# KiCad board AmigaPCI Mainboard.kicad_pcb (continued)
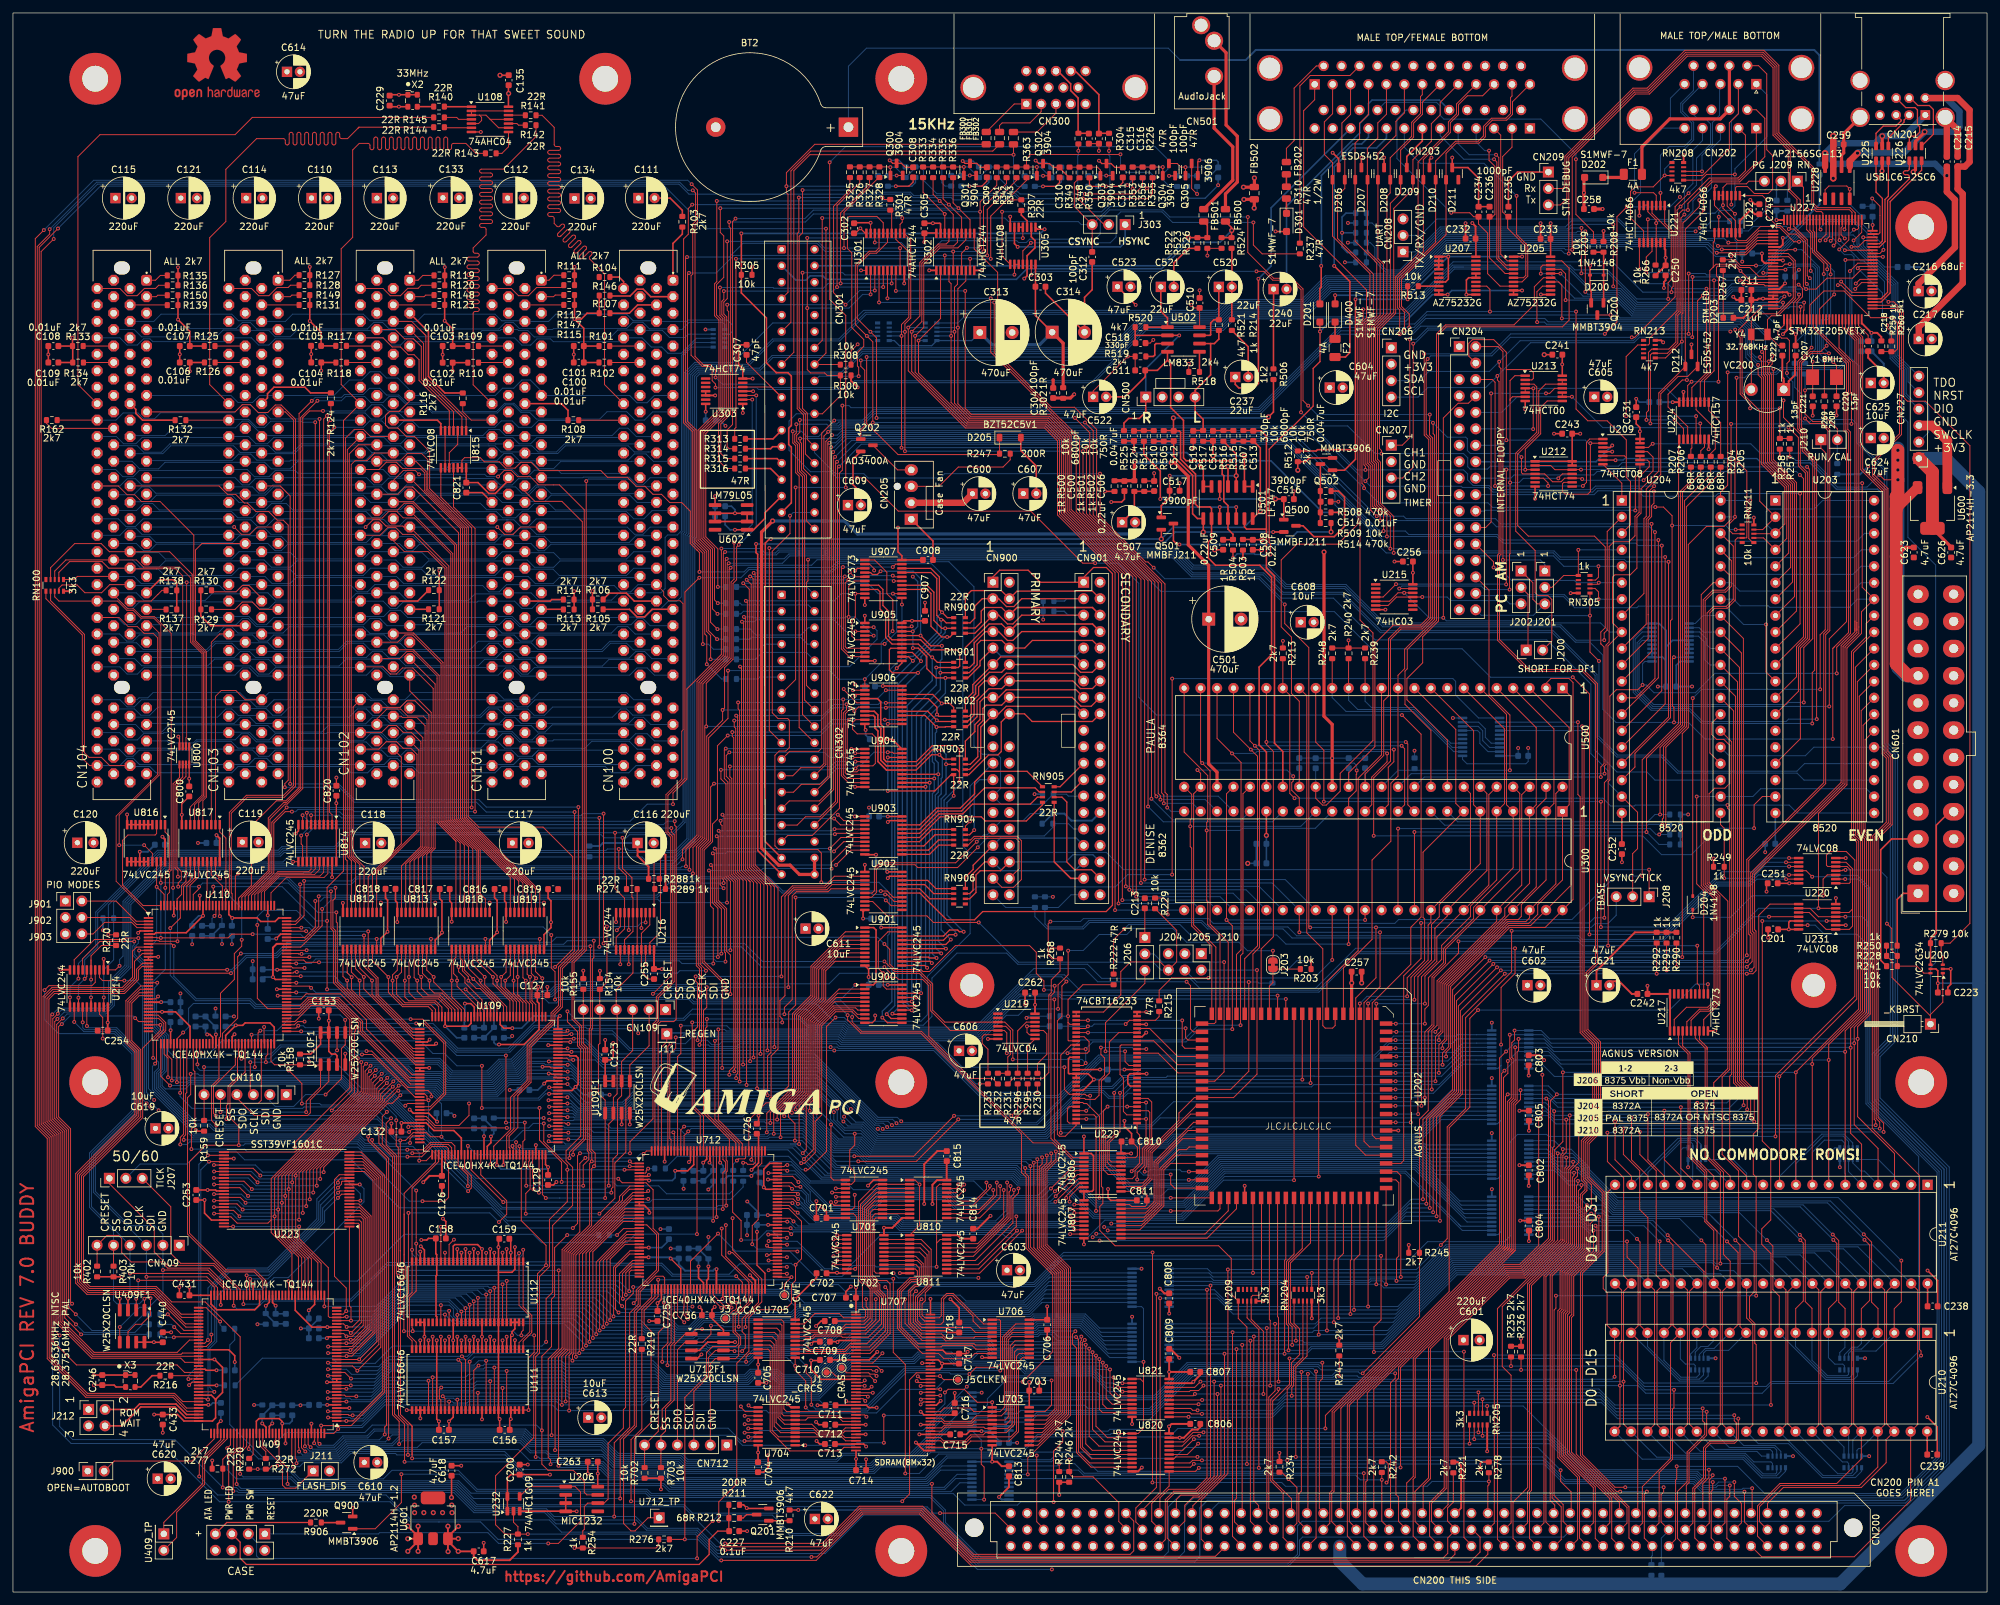
[diagram p0: board, top side]
## Routing (per net, layer and track width the routed paths; a pad name or vN(x,y) marks a point on that pad's centre or on a via; arc(x,y) is an arc through that point) (continued)
/Agnus Multiadapter/_CDAC: length 18.7
  Top w0.15: v1(165.97,87.36) 165.63,87.02 U229.33 ; 176.97,89.64 176.97,88.86 176.4,88.29 U229.26 172.4,88.29 v1(171.81,87.71)
  Bottom w0.15: v1(171.81,87.71) 166.95,87.71 166.6,87.36 v1(165.97,87.36) 165.96,87.37 R294.2
/Agnus Multiadapter/A20_XCLK: length 21.3
  Top w0.15: v1(165.99,86.39) 165.99,86.39 U229.34 ; U202.35 181.42,85.24 181.05,85.61 v1(181.05,87.05)
  Bottom w0.15: v1(165.99,86.39) 173.61,86.39 174.27,87.05 v1(181.05,87.05)
/Agnus Multiadapter/ACLK: length 21.7
  Top w0.15: J206.3 174.77,93.99 168.69,87.91 v1(168.69,83.5) ; U229.15 172.31,81.31 171.71,81.91 v1(171.71,83.5)
  Bottom w0.15: v1(171.71,83.5) v1(168.69,83.5)
/Agnus Multiadapter/CASL_UDS: length 21
  Top w0.15: v1(172.73,64.98) 172.73,64.99 173.96,66.22 173.96,70.57 173.56,70.97 U229.1 ; U202.53 179.37,62.38 178.75,63 v1(178.75,64.47)
  Bottom w0.15: v1(178.75,64.47) 176.9,64.47 176.82,64.39 174.52,64.39 173.94,64.98 v1(172.73,64.98)
/Agnus Multiadapter/CASU_CASL: length 34.4
  Top w0.15: v1(167.75,60.88) 167.75,73.47 165.79,75.43 165.34,75.43 165.18,75.59 U229.51 ; v1(178.76,60.87) 178.76,60.87 U202.54
  Bottom w0.15: v1(178.76,60.87) 167.76,60.87 v1(167.75,60.88)
/Agnus Multiadapter/CCK_CCKQ: length 11.3
  Top w0.15: U202.39 179.88,80.16 176.83,83.21 U229.18
/Agnus Multiadapter/CCKQ_7MHz: length 11.6
  Top w0.15: U229.21 176.12,85.12 179.81,81.43 U202.38
/Agnus Multiadapter/CDAC_XCLKEN: length 23.5
  Top w0.15: v1(180.53,88.27) 180.53,84.38 180.94,83.97 U202.36 ; U229.31 165.97,88.29 v1(165.98,88.28)
  Bottom w0.15: v1(165.98,88.28) 180.52,88.28 v1(180.53,88.27)
/Agnus Multiadapter/DRA8: length 20.3
  Top w0.15: U229.19 174.99,83.85 v1(174.99,83.85) ; U229.50 165.46,76.23 165.61,76.08 167.05,76.08 167.69,76.72 167.69,78.98 168.54,79.83 168.54,82.47 167.98,83.03 v1(167.98,84.08)
  Bottom w0.15: v1(167.98,84.08) 172.83,84.08 173.06,83.85 v1(174.99,83.85)
/Agnus Multiadapter/DRA9: length 15.3
  Top w0.15: U229.20 171.11,84.48 170.94,84.3 170.94,79.91 171.45,79.39 171.45,74.2 171.97,73.69 U229.3
/Agnus Multiadapter/DRA9_CASU: length 38.7
  Top w0.15: U202.55 186.37,59.18 186.04,58.85 v1(178.76,58.85) ; U229.54 166.9,73.69 167.23,73.36 v1(167.23,58.85)
  Bottom w0.15: v1(167.23,58.85) v1(178.76,58.85)
/Agnus Multiadapter/LDS_DRA8: length 22.8
  Top w0.15: U202.51 v1(181.57,64.92) ; v1(174.74,64.92) 174.74,65.46 174.97,65.69 174.97,68.22 175.82,69.07 175.82,75.66 175.26,76.23 U229.7
  Bottom w0.15: v1(174.74,64.92) 175.3,64.92 175.58,65.2 180.19,65.2 180.47,64.92 v1(181.57,64.92)
/Agnus Multiadapter/UDS_LDS: length 23.3
  Top w0.15: U202.52 v1(181.55,63.65) ; U229.4 175.28,74.32 175.52,74.08 175.52,69.2 174.67,68.34 174.67,65.83 173.58,64.74 v1(173.58,63.7)
  Bottom w0.15: v1(181.55,63.65) 173.63,63.65 v1(173.58,63.7)
/Agnus Multiadapter/VBB_CCK: length 33.7
  Top w0.15: U202.40 185.56,78.89 187,80.33 v1(187,97.28)
  Bottom w0.15: J206.2 176.16,98.54 177.42,97.28 v1(187,97.28)
/ATA Interface/_ACTA: length 133
  Top w0.15: v1(273.78,110.08) 273.79,110.09 U220.13
  Bottom w0.15: CN900.39 153.27,105.7 157.79,105.7 157.79,104.29 159.68,102.4 165.25,102.4 166.24,103.39 183.45,103.39 184.44,102.4 196.09,102.4 197.49,101 241.6,101 242.12,100.48 254.75,100.48 263.3,109.03 268.19,109.03 269.24,110.08 v1(273.78,110.08)
/ATA Interface/_ACTB: length 131.6
  Top w0.15: U220.12 v1(274.23,110.74)
  Bottom w0.15: CN901.39 163.37,107.67 161.4,105.7 159.34,105.7 159.34,103.16 159.8,102.7 165.13,102.7 166.12,103.69 183.57,103.69 184.56,102.7 196.85,102.7 198.21,101.34 228.78,101.34 241.76,101.34 242.32,100.78 254.62,100.78 263.17,109.33 268.07,109.33 269.48,110.74 v1(274.23,110.74)
/ATA Interface/_ACTIVITY: length 372.6
  Top w0.15: v1(59.97,18.2) 59.97,13.81 55.93,9.77 Q900.1 ; v1(277.8,110.45) 276.87,111.39 U220.11
  Bottom w0.15: v1(277.8,110.45) 281.85,110.45 282.07,110.68 284.76,110.68 286.7,108.73 286.7,75.64 297.39,64.96 297.39,20.72 291.59,14.93 180.14,14.93 178.39,13.17 178.39,6.21 177.47,5.29 149.44,5.29 143.97,10.76 143.97,12.67 141.74,14.9 98.47,14.9 97.8,15.56 71.56,15.56 68.92,18.2 v1(59.97,18.2)
/ATA Interface/_CS0P: length 20.6
  Top w0.15: CN900.37 152.7,108.82 154.5,108.82 155.7,110.02 155.7,116.02 155.03,116.69 148.41,116.69 147.86,116.14 RN904.6
/ATA Interface/_CS0S: length 14.8
  Top w0.2: 160.9,112.63 160.76,112.77 RN905.5
  Top w0.25: CN901.37 163.32,110.21 160.9,112.63
/ATA Interface/_CS1P: length 15.2
  Top w0.15: CN900.38 155.35,111.71 155.35,115.87 154.83,116.39 148.53,116.39 147.48,115.34 RN904.5
/ATA Interface/_CS1S: length 17.7
  Top w0.2: CN901.38 166.53,111.53 163.93,111.53 162.72,112.74 162.72,121.99 161.96,122.75 RN905.6
/ATA Interface/_DIORP: length 11.9
  Top w0.2: v1(148.42,117.66) 147.7,116.94 RN904.7
  Bottom w0.2: v1(148.42,117.66) 148.42,124.61 149.26,125.45 CN900.25
/ATA Interface/_DIORS: length 5.3
  Top w0.2: RN905.7 163.41,123.55 CN901.25
/ATA Interface/_DIOWP: length 12
  Top w0.15: v1(147.78,119.01) 147.05,118.28 RN904.8
  Bottom w0.15: CN900.23 147.78,124.46 v1(147.78,119.01)
/ATA Interface/_DIOWS: length 6.1
  Top w0.2: RN905.8 161.67,124.35 CN901.23
/ATA Interface/_RSTIDE: length 107.9
  Top w0.2: CN901.1 158.61,155.93 156.75,157.79 152.34,157.79 151.31,156.76 CN900.1 ; U902.15 140.03,107.94 144.17,103.8 148.46,103.8 149.74,105.08 168.79,105.08 169.76,106.05 169.76,157.27 168.82,158.21 166.84,158.21 165.31,156.68
/ATA Interface/DA0A: length 8.6
  Top w0.2: U902.17 140.78,109.24 142.17,107.85 RN906.2
/ATA Interface/DA0B: length 22.9
  Top w0.2: CN900.35 150.05,112.75 148.24,110.94 148.24,108.38 147.71,107.85 RN906.7
  Bottom w0.2: CN900.35 152.68,111.38 163.94,111.38 CN901.35
/ATA Interface/DA1A: length 8.6
  Top w0.2: U902.18 141.23,109.89 142.5,108.62 145.31,108.62
/ATA Interface/DA1B: length 23.3
  Top w0.2: CN900.33 148.25,112.23 148.25,111.59 147.05,110.38 RN906.8
  Bottom w0.2: CN900.33 152.45,116.43 164.17,116.43 CN901.33
/ATA Interface/DA2A: length 8.6
  Top w0.2: RN906.3 141.56,107.05 140.02,108.59 U902.16
/ATA Interface/DA2B: length 25.7
  Top w0.2: RN906.6 147.71,107.05 148.69,108.03 148.69,110.73 149.35,111.38 152.49,111.38 CN900.36
  Bottom w0.2: CN901.36 166.75,113.85 163.67,113.85 162.57,112.75 CN900.36
/ATA Interface/DD0A: length 25.6
  Top w0.2: RN903.6 147.71,127.02 149.43,128.73 149.43,133.57 151.31,135.45 ; CN900.17 152.19,135.61 153.36,136.78 164.13,136.78 CN901.17
/ATA Interface/DD1A: length 27
  Top w0.2: RN903.8 147.05,131.39 148.52,132.87 148.52,133.94 149.31,134.73 149.31,137.46 150,138.15 CN900.15 152.19,138.15 153.36,139.32 164.13,139.32 CN901.15
/ATA Interface/DD2A: length 24
  Top w0.2: CN901.13 164.12,141.88 153.38,141.88 152.19,140.69 CN900.13 150.04,140.69 149.1,139.75 149.1,138.53 148.41,137.84 148.41,135.45 147.39,134.43 RN902.6
/ATA Interface/DD3A: length 23.9
  Top w0.2: CN901.11 164.13,144.41 152.49,144.41 CN900.11 148.2,140.12 148.2,138.9 147.05,137.75 RN902.8
/ATA Interface/DD4A: length 21.6
  Top w0.2: CN900.9 149.32,143.78 149.32,143.04 147.44,141.16 RN901.5
  Bottom w0.2: CN901.9 164.13,144.59 152.49,144.59 CN900.9
/ATA Interface/DD5A: length 23.5
  Top w0.2: RN901.7 147.7,142.76 148.42,143.48 148.42,146.56 150.17,148.31 CN900.7 152.19,148.31 153.55,146.94 154.39,146.94 155.75,148.31 CN901.7
/ATA Interface/DD6A: length 25.4
  Top w0.2: RN900.5 148.52,148.06 CN900.5 152.19,150.85 153.55,149.49 154.39,149.49 155.75,150.85 CN901.5
  Bottom w0.2: CN901.5 162.91,150.85 162.31,151.45 R911.1
/ATA Interface/DD7A: length 26.6
  Top w0.2: CN901.3 155.75,153.39 154.54,152.17 153.41,152.17 152.19,153.39 CN900.3 149.66,153.39 148.51,152.24 148.51,150.38 147.79,149.66 RN900.7
  Bottom w0.2: CN901.3 162.72,153.39 162.36,153.03 R912.1
/ATA Interface/DD8A: length 25.9
  Top w0.2: RN900.8 147.05,153.71 147.98,154.64 152.6,154.64 CN900.4 155.02,154.56 166.68,154.56 CN901.4
/ATA Interface/DD9A: length 24.6
  Top w0.2: 153.83,150.83 152.63,152.03 150.05,152.03 149.5,151.48 149.5,149.79 148.57,148.86 RN900.6
  Top w0.25: CN901.6 166.68,152.02 155.02,152.02 CN900.6
/ATA Interface/DD10A: length 26
  Top w0.2: 153.83,148.29 152.63,149.48 150.7,149.48 147.05,145.83 RN901.8
  Top w0.25: CN900.8 155.02,149.48 166.68,149.48 CN901.8
/ATA Interface/DD11A: length 26.2
  Top w0.2: CN901.10 166.68,146.94 157.4,146.94 156.23,145.77 CN900.10 152.68,146.94 149.44,146.94 148.87,146.38 148.87,143.18 147.65,141.96 RN901.6
/ATA Interface/DD12A: length 27.2
  Top w0.2: CN900.12 163.65,143.23 164.85,142.03 166.65,142.03 CN901.12 ; 153.83,143.21 152.65,142.03 150.75,142.03 148.65,139.93 148.65,138.71 147.96,138.02 147.96,135.54 147.65,135.23 RN902.7
/ATA Interface/DD13A: length 25.8
  Top w0.2: CN900.14 163.65,140.69 164.82,139.51 166.68,139.51 CN901.14 ; 147.33,133.63 148.86,135.16 148.86,137.65 150.7,139.49 152.65,139.49 153.83,140.67
/ATA Interface/DD14A: length 30.1
  Top w0.2: CN901.16 166.49,136.78 164.9,136.78 163.54,138.15 CN900.16 ; RN903.7 147.81,127.82 148.98,128.98 148.98,133.76 149.76,134.54 149.76,136.44 150.27,136.95 152.65,136.95 153.83,138.13
/ATA Interface/DD15A: length 28.3
  Top w0.2: CN901.18 166.68,134.44 157.36,134.44 156.19,135.61 CN900.18 152.59,134.35 152.59,129.78 152.07,129.26 150.64,129.26 147.6,126.22 RN903.5
/ATA Interface/IDED0: length 85.7
  Top w0.2: v1(136.45,142.66) 137.25,143.45 U905.11 ; RN900.1 144.27,150.46 v1(143.44,151.29) 143.04,151.69 143.04,156.75 141.72,158.07 U907.18 ; U900.11 135.03,87.91 v1(134.23,88.71)
  Bottom w0.2: v1(143.44,151.29) 142.69,150.53 142.69,148.17 138.99,144.48 138.28,144.48 v1(136.45,142.66) 135.7,141.9 135.7,91.16 134.23,89.69 v1(134.23,88.71)
/ATA Interface/IDED1: length 82.7
  Top w0.2: v1(140.2,143.74) 138.86,145.09 U905.13 ; 145.21,148.82 v1(143.94,148.82) 143.4,148.82 142.19,150.03 142.19,154.39 141.11,155.47 U907.14 ; U900.13 135.89,89.21 v1(135.79,89.31)
  Bottom w0.2: 136.6,92.84 136.6,90.12 v1(135.79,89.31) ; 136.6,92.84 136.6,92.54 136.6,93.75 ; 136.6,92.84 136.6,93.75 ; 136.6,93.75 136.6,140.14 v1(140.2,143.74) 140.2,144.42 143.94,148.15 v1(143.94,148.82)
/ATA Interface/IDED2: length 80.3
  Top w0.2: U907.8 133.51,154.82 133.87,154.46 133.87,151.8 134.74,150.93 134.74,147.39 135.74,146.39 U905.15 139.78,146.39 141.83,144.34 v1(141.94,144.34) 142.72,143.56 RN901.1 ; U900.15 v1(139.21,90.51)
  Bottom w0.2: v1(141.94,144.34) 141.94,140.76 138.05,136.87 138.05,90.93 138.47,90.51 v1(139.21,90.51)
/ATA Interface/IDED3: length 85.3
  Top w0.2: U907.4 132.41,157.42 132.71,157.12 133.45,157.12 v1(133.96,157.63) ; RN901.3 v1(143.19,141.96) ; v1(143.42,146.11) 141.71,146.11 v1(140.13,147.69) U905.17 ; U900.17 v1(139.5,91.81)
  Bottom w0.2: v1(143.42,146.11) 143.42,144.05 143.19,143.82 v1(143.19,141.96) 143.19,139.36 139.5,135.67 139.5,93.29 v1(139.5,91.81) ; v1(133.96,157.63) 138.99,157.63 140.13,156.49 v1(140.13,147.69)
/ATA Interface/IDED4: length 57.8
  Top w0.2: U901.12 141.59,97.4 v1(141.87,97.12) ; U906.17 141.34,137.96 142.67,136.63 v1(142.67,135.51) 142.95,135.23 RN902.2
  Top w0.25: v1(141.54,124.98) 141.53,124.98 U904.12
  Bottom w0.2: v1(142.67,135.51) 141.51,134.36 141.51,97.47 v1(141.87,97.12)
/ATA Interface/IDED5: length 56.3
  Top w0.2: U904.14 142.87,126.28 v1(142.87,126.28) ; U901.14 143.25,98.7 v1(143.33,98.62) ; U906.13 140.81,135.36 v1(142.6,133.57) 143.93,133.57 143.99,133.63 RN902.4
  Bottom w0.2: v1(143.33,98.62) 142.42,99.53 142.42,123.05 142.87,123.5 v1(142.87,126.28) 142.87,128.04 142.42,128.5 142.42,132.63 142.6,132.82 v1(142.6,133.57)
/ATA Interface/IDED6: length 59.8
  Top w0.2: RN903.2 144.08,127.82 v1(144.07,127.83) ; v1(144.8,100.76) 144.04,100 U901.16 ; v1(143.35,130.07) 143.33,130.06 141.95,130.06 139.47,127.58 U904.16
  Top w0.25: U904.16 134.86,127.58 134,128.43 134,133.35 133.54,133.81 133.54,135.45 132.98,136.01 U906.7
  Bottom w0.2: v1(143.35,130.07) 144.07,129.35 v1(144.07,127.83) 144.07,123.22 143.31,122.47 143.31,102.24 v1(144.8,100.76)
/ATA Interface/IDED7: length 68.8
  Top w0.2: v1(146.79,101.97) 146.12,101.97 145.86,102.23 144.61,102.23 143.68,101.3 U901.18 ; v1(130.01,138.41) 130.2,138.61 U906.3 ; v1(145.25,122.95) RN903.4 144.85,126.22 142.33,123.7 v1(135.08,123.7) ; v1(135.08,128.88) 137.25,128.88
  In2.Cu w0.2: v1(130.01,138.41) 130.96,137.46 130.96,130.89 132.98,128.88 v1(135.08,128.88)
  Bottom w0.2: v1(135.08,123.7) v1(135.08,128.88) ; v1(145.25,122.95) 144.21,121.91 144.21,104.54 v1(146.79,101.97)
/ATA Interface/IDED8: length 64.8
  Top w0.2: RN903.3 145.75,127.02 146.14,126.63 ; v1(145.54,101.51) 144.52,101.51 143.66,100.65 U901.17 ; 146.14,126.63 v1(146.14,125.14) ; 146.14,126.63 146.14,130.14 145.58,130.7 141.96,130.7 139.49,128.23 U904.17
  Top w0.25: U906.4 133.49,137.96 133.99,137.46 133.99,134 134.45,133.54 134.45,128.62 134.84,128.23 U904.17
  Bottom w0.2: v1(145.54,101.51) 145.54,101.93 143.76,103.71 143.76,122.28 146.14,124.66 v1(146.14,125.14)
/ATA Interface/IDED9: length 59.9
  Top w0.2: v1(144.05,99.34) 144.04,99.35 U901.15 ; U904.15 139.46,126.93 141.82,129.29 v1(143.04,129.29) 143.71,128.62 RN903.1
  Top w0.25: U904.15 134.87,126.93 133.55,128.25 133.55,132.96 133.09,133.42 133.09,135.12 132.85,135.36 U906.8
  Bottom w0.2: v1(143.04,129.29) 143.5,128.83 143.5,125.78 143.32,125.61 143.32,123.25 142.87,122.8 142.87,100.52 v1(144.05,99.34)
/ATA Interface/IDED10: length 56.5
  Top w0.2: U906.14 141.24,136.01 v1(142.64,134.61) 142.82,134.43 RN902.3 ; U904.13 142.24,125.63 v1(142.25,125.63) ; U901.13 141.34,98.05 141.48,97.91 v1(142.6,97.91)
  Bottom w0.2: v1(142.6,97.91) 141.96,98.55 141.96,123.29 142.25,123.57 v1(142.25,125.63) 142.25,127.95 141.96,128.23 141.96,133.93 v1(142.64,134.61)
/ATA Interface/IDED11: length 59
  Top w0.2: RN902.1 145.25,136.6 144.64,137.21 v1(143.4,137.21) 142.01,138.61 U906.18 ; v1(141.15,96.4) 140.8,96.75 U901.11
  Top w0.25: v1(140.89,124.34) 140.88,124.33 U904.11
  Bottom w0.2: v1(143.4,137.21) 140.91,134.72 140.91,96.64 v1(141.15,96.4)
/ATA Interface/IDED12: length 87.8
  Top w0.2: v1(138.95,145.76) 139.77,145.76 141.1,144.43 141.1,142.59 142.53,141.16 v1(143.97,141.16) RN901.4 ; v1(138.94,148.34) 138.94,148.34 U905.18 ; U907.3 130.38,158.07 v1(130.01,157.7) ; U900.18 140.2,92.46 v1(140.22,92.48)
  In2.Cu w0.2: v1(138.94,156.8) 136.84,158.9 131.21,158.9 v1(130.01,157.7)
  Bottom w0.2: v1(138.95,145.76) 138.95,148.33 v1(138.94,148.34) 139.68,149.08 139.68,156.05 v1(138.94,156.8) ; v1(140.22,92.48) 140.23,92.48 140.23,135.05 143.97,138.8 v1(143.97,141.16)
/ATA Interface/IDED13: length 83.2
  Top w0.2: v1(138.78,91.19) 138.75,91.16 U900.16 ; U907.7 133.67,155.47 134.32,154.82 134.32,152.34 135.19,151.47 135.19,147.57 135.72,147.04 U905.16 140.15,147.04 141.7,145.49 145.74,145.49 146.18,145.05 146.18,142.99 145.95,142.76 RN901.2 v1(142.56,142.76)
  Bottom w0.2: v1(138.78,91.19) 138.78,136.27 142.56,140.05 142.56,142.75 v1(142.56,142.76)
/ATA Interface/IDED14: length 87
  Top w0.2: RN900.4 144.67,147.48 v1(144.23,147.48) 143.4,147.48 141.74,149.14 141.74,154.2 141.12,154.82 U907.13 ; v1(138.77,89.84) 138.75,89.86 U900.14 ; v1(139.74,141.95) 135.78,141.95 135.32,142.41 135.32,145.52 135.54,145.74 U905.14
  Bottom w0.2: v1(138.77,89.84) 138.49,89.84 137.33,91 137.33,139.54 v1(139.74,141.95) 140.98,143.19 140.98,144.55 143.9,147.48 v1(144.23,147.48)
/ATA Interface/IDED15: length 83.5
  Top w0.2: U900.12 135.58,88.56 v1(134.91,89.23) ; v1(138.94,143.79) 138.29,144.44 U905.12 ; RN900.2 144.1,149.66 143.62,150.14 v1(143.31,150.14) 142.64,150.81 142.64,156.51 141.73,157.42 U907.17
  Bottom w0.2: v1(134.91,89.23) 134.91,89.31 136.15,90.56 136.15,141 v1(138.94,143.79) 143.31,148.16 v1(143.31,150.14)
/ATA Interface/INTRQP: length 34.5
  Top w0.15: U902.6 132.65,107.94 133.01,108.3 133.01,111.73 133.88,112.61 145.55,112.61 v1(148.81,115.86)
  Bottom w0.15: R901.1 157.05,120.2 155.94,119.09 152.57,119.09 CN900.31 150.38,116.9 149.84,116.9 v1(148.81,115.86)
/ATA Interface/INTRQS: length 41.6
  Top w0.15: v1(148.97,115) 145.85,111.88 139.7,111.88 139.27,112.31 134.01,112.31 133.31,111.61 133.31,108.01 132.59,107.29 U902.7
  Bottom w0.15: CN901.31 163.78,117.83 162.96,118.65 R902.1 160.56,118.07 159.24,116.75 150.73,116.75 v1(148.97,115)
/ATA Interface/IRDY: length 147.4
  Top w0.15: 105.55,160.96 104.57,161.94 104.57,166.91 103.26,168.23 101.42,168.23 100.14,169.51 98.82,169.51 97.58,170.75 96.26,170.75 94.88,172.13 91.81,172.13 90.77,173.17 81.29,173.17 80,174.46 78.43,174.46 77.52,173.55 76.06,173.55 75.08,174.53 72.78,174.53 72.14,175.17 69.73,175.17 69.32,174.76 U815.13 ; 105.55,160.96 105.69,160.83 ; 105.55,160.96 105.99,160.53 v1(105.99,157.53)
  Top w0.25: U815.12 U815.13
  Bottom w0.15: R900.2 159.06,121.65 152.57,121.65 CN900.27 152.49,124.09 152.49,128.83 151.95,129.37 149.66,129.37 148.38,130.65 148.38,155.23 144.51,159.1 127.26,159.1 126.37,158.21 113.56,158.21 112.88,157.53 v1(105.99,157.53) ; CN901.27 162.95,122.91 162.66,123.2 160.62,123.2
/Audio/_CIPLS0: length 7.8
  Bottom w0.15: U208.17 228.25,131.07 227.33,131.99 227.33,133.3 226.31,134.32 U208.9
/Audio/_CIPLS1: length 7.9
  Bottom w0.15: U208.8 226.24,133.67 226.93,132.98 226.93,131.48 227.99,130.42 U208.18
/Audio/_CIPLS2: length 8
  Bottom w0.15: U208.7 226.14,133.02 226.49,132.68 226.49,131.04 227.75,129.77 U208.19
/Audio/AUDLEFT: length 63.9
  Top w0.25: C513.2 192.71,179.31 193.54,178.48 193.54,164.11 ; 193.54,164.11 193.5,164.14 190.47,164.14 190.14,164.47 U501.13 ; 193.54,164.11 193.54,158.15 194.78,156.91 194.78,131.07 196.07,129.78 U500.31 ; 189.98,179.35 191.46,179.35
/Audio/AUDRIGHT: length 92.8
  Top w0.25: 179.18,179.34 179.18,181.3 v2(179.17,181.31) ; U500.30 193.53,129.69 192.4,130.82 192.4,142.82 194.33,144.75 194.33,156.72 192.5,158.55 185.68,158.55 184.57,159.66 184.57,162.15 185.06,162.64 U501.9 185.06,167.32 184.82,167.56 183,167.56 182.59,167.97 182.59,172.62 180.28,174.93 180.28,179.11 180.09,179.3 C512.2 ; v2(193.86,181.46) 194.62,182.22 R506.2 ; R505.2 179.17,179.35
  Bottom w0.25: v2(193.86,181.46) 193.71,181.31 v2(179.17,181.31)
/Chip Memory/LDB0: length 28.8
  Top w0.15: 130.14,27.87 U704.9 119.46,27.87 119.03,28.29 119.03,41.69 118.68,42.05 U705.11
/Chip Memory/LDB1: length 29.1
  Top w0.15: U705.12 118.53,41.39 118.73,41.19 118.73,27.52 119.03,27.21 U704.8 127.68,27.21 128.04,26.85 U707.33
/Chip Memory/LDB2: length 29.1
  Top w0.15: U707.34 128.12,26.35 127.55,26.91 122.75,26.91 122.41,26.56 U704.7 118.94,26.56 118.43,27.08 118.43,40.26 117.94,40.75 U705.13
/Chip Memory/LDB3: length 29
  Top w0.15: U707.36 128.53,25.35 128.04,24.86 124.4,24.86 123.34,25.91 U704.6 119.15,25.91 118.13,26.93 118.13,39.55 117.59,40.09 U705.14
/Chip Memory/LDB4: length 28.8
  Top w0.15: U705.15 117.24,39.44 117.83,38.85 117.83,26.17 118.74,25.26 U704.5 123.57,25.26 124.28,24.56 128.16,24.56 128.45,24.85 U707.37
/Chip Memory/LDB5: length 28.7
  Top w0.15: U707.39 128.48,23.85 128.07,24.26 124.15,24.26 123.8,24.62 118.53,24.62 117.53,25.61 117.53,38.24 116.97,38.8 U705.16
/Chip Memory/LDB6: length 28.8
  Top w0.15: 120.78,23.96 127.95,23.96 128.56,23.35 U707.40 ; U705.17 116.88,38.14 117.23,37.79 117.23,24.94 118.21,23.96 U704.3
/Chip Memory/LDB7: length 31.9
  Top w0.15: U707.42 128.32,22.35 127.76,21.79 119.96,21.79 118.07,23.68 ; 118.07,23.68 118.43,23.31 U704.2 ; 118.07,23.68 116.91,24.84 116.91,37.17 116.59,37.5 U705.18
/Chip Memory/LDB8: length 27.3
  Top w0.15: U707.56 143.23,27.85 143.8,28.42 147.82,28.42 148.38,27.87 U703.2 152.42,27.87 153.08,28.52 153.08,39.23 154.6,40.75 U706.18
/Chip Memory/LDB9: length 27.7
  Top w0.15: U706.17 154.37,40.09 153.38,39.1 153.38,27.98 152.62,27.21 U703.3 148.76,27.21 147.91,26.36 143.84,26.36 143.35,26.85 U707.54
/Chip Memory/LDB10: length 27.9
  Top w0.15: U706.16 154.19,39.44 153.68,38.94 153.68,27.05 153.19,26.56 U703.4 148.54,26.56 148.03,26.06 143.72,26.06 143.43,26.35 U707.53
/Chip Memory/LDB11: length 27.6
  Top w0.15: U707.51 143.4,25.35 143.81,25.76 148.16,25.76 148.31,25.91 U703.5 153.38,25.91 153.98,26.51 153.98,38.06 154.71,38.8 U706.15
/Chip Memory/LDB12: length 27.8
  Top w0.15: U706.14 154.71,38.14 154.28,37.71 154.28,25.94 153.6,25.26 U703.6 150.1,25.26 149.9,25.46 143.93,25.46 143.32,24.85 U707.50
/Chip Memory/LDB13: length 27.9
  Top w0.15: U707.48 143.18,23.85 143.69,23.34 146.96,23.34 147.88,24.26 149.78,24.26 150.13,24.62 153.38,24.62 154.65,25.89 154.65,37.05 154.64,37.06 155.07,37.5 U706.13
/Chip Memory/LDB14: length 27.9
  Top w0.15: 156.91,36.84 155.38,36.84 154.95,36.42 154.95,24.87 154.05,23.96 U703.8 148.01,23.96 147.08,23.04 143.57,23.04 143.26,23.35 U707.47
/Chip Memory/LDB15: length 27.3
  Top w0.15: U706.11 155.88,36.19 155.25,35.56 155.25,24.75 153.82,23.31 U703.9 147.89,23.31 147.89,23.32 146.92,22.35 U707.45
/Chip RAM Controller/U712_CRESET: length 40.8
  Top w0.15: v1(100.5,44.7) 100.5,40.93 99.64,40.06 99.64,24.82 CN712.6 ; R702.2 97.53,22.49 ; v1(112.97,45.32) 113.12,45.47 U712.66
  Bottom w0.15: v1(100.5,44.7) 109.78,44.7 110.41,45.32 v1(112.97,45.32)
/Chip RAM Controller/U712_SCK: length 95.3
  Top w0.15: v1(112.58,37.2) 113.08,37.7 113.08,39.71 112.58,40.21 112.58,42.19 115.12,44.73 U712.70 115.12,48.41 111.11,52.41 v1(110.63,52.41) ; 93.78,99.17 93.78,96.95 v1(93.77,96.94) ; v1(111.42,37.2) 111.31,37.31 U712F1.6 108.47,37.31 107.38,36.21 107.38,33.22 105.13,30.99 105.13,22.5
  In3.Cu w0.15: v1(93.77,96.94) 96.75,93.96 96.75,87.27 98.69,85.33 98.69,67.96 98.91,67.74 98.91,60.11 103.19,55.83 107.21,55.83 v1(110.63,52.41)
  Bottom w0.15: v1(111.42,37.2) v1(112.58,37.2)
/Chip RAM Controller/U712_SDI: length 93.3
  Top w0.15: 111.53,40.72 111.53,40.31 ; 111.53,40.72 111.53,42.68 113.62,44.77 U712.67 113.62,47.84 109.43,52.03 v1(109.43,56.13) ; 111.53,40.72 111.53,40.24 112.35,39.41 112.35,38.24 112.06,37.94 112.06,36.52 111.57,36.05 U712F1.5 108.45,36.05 107.68,35.27 107.68,22.5 ; 95.08,99.17 v1(95.08,96.94)
  In3.Cu w0.15: v1(109.43,56.13) 103.31,56.13 99.22,60.23 99.22,67.87 99,68.09 99,85.45 97.06,87.39 97.06,94.08 95.08,96.06 v1(95.08,96.94)
/Chip RAM Controller/U712_SDOA: length 102.6
  Top w0.15: v1(97.03,102.54) 97.03,102.54 97.03,104.92 ; v1(110.06,56.66) 110.06,51.82 114.12,47.77 U712.68 114.12,44.84 112.06,42.78 v1(112.06,40.97) ; v1(107.77,41.14) 107.77,39.83 106.53,38.58 U712F1.2 103.78,38.58 102.59,37.4 102.59,22.5
  In3.Cu w0.15: v1(110.06,56.66) 103.21,56.66 99.51,60.36 99.51,67.99 99.29,68.21 99.29,90.63 97.89,92.04 97.89,94.1 97.03,94.95 v1(97.03,102.54)
  Bottom w0.15: v1(107.77,41.14) 109.61,41.14 109.78,40.97 v1(112.06,40.97)
/Chip RAM Controller/U712_SS: length 103.9
  Top w0.15: v1(106.41,40.6) 105.5,40.6 U712F1.1 103.78,39.85 102.1,38.18 102.1,29.68 100.76,28.33 100.76,24.87 100.06,24.16 100.06,22.5 ; v1(113.1,40.92) 113.1,42.29 115.62,44.8 U712.71 115.62,48.33 111.12,52.83 v1(111.12,57.74) ; R703.2 100.05,22.5 ; v1(97.67,96.94) 97.68,96.95 97.68,99.17
  In3.Cu w0.15: v1(97.67,96.94) 97.67,94.74 98.19,94.22 98.19,92.16 99.59,90.75 99.59,68.58 99.81,68.36 99.81,60.48 101.68,58.62 110.24,58.62 v1(111.12,57.74)
  Bottom w0.15: v1(106.41,40.6) 106.63,40.38 112.56,40.38 v1(113.1,40.92)
/Clocks, ROM, USB/CLK33: length 4.2
  Top w0.25: U108.1 66.58,229.36
/Clocks, ROM, USB/USB1A+: length 7.9
  Top w0.2: CN201.3 291.54,227.3 291.54,227.18 290.74,226.37 288.77,226.37 287.66,225.26 U225.6
/Clocks, ROM, USB/USB1A-: length 6.1
  Top w0.2: U225.4 289.56,224.56 291.99,226.99 291.99,227.3 CN201.2
/Clocks, ROM, USB/USB2A+: length 10.8
  Top w0.2: CN201.7 292.24,229.22 293.69,229.22 294.05,228.86 294.05,226.61 294.39,226.27 294.39,225.42 293.79,224.82 293.08,224.82 292.8,224.54 U226.6
/Clocks, ROM, USB/USB2A-: length 10.7
  Top w0.2: U226.4 296.51,225.11 296.51,228.93 295.89,229.55 294.12,229.55 292.97,230.7
/Floppy and Parallel/_CHNG: length 16.6
  Top w0.15: v1(241.69,160.93) RN305.6 239.44,156.98 237.6,155.13 J201.2
  Bottom w0.15: 248.4,160.94 241.7,160.94 v1(241.69,160.93)
/Floppy and Parallel/_DCHNG: length 44.5
  Top w0.15: CN204.2 229.28,192.32 230.05,191.55 v1(230.05,159.38)
  Bottom w0.15: J201.1 236.52,158.67 235.82,159.38 v1(230.05,159.38)
/Floppy and Parallel/_DF1: length 47.7
  Top w0.15: J200.2 237.6,146.86 237.6,153.27 237,153.88 235.48,153.88 235.02,154.32 235.02,160.82 232.02,163.82 232.02,175.85 235.27,179.1 235.27,186.09 234.84,186.52 233.49,186.52
/Floppy and Parallel/_DKWDB: length 32.2
  Top w0.15: U209.8 251.21,172.84 250.5,172.12 v1(250.5,167.01)
  Bottom w0.15: v1(250.5,167.01) 250.47,167.04 227.31,167.04 227.18,166.92 CN204.22
/Floppy and Parallel/_DKWEB: length 33.9
  Top w0.15: v1(236.7,185.1) 237.27,185.1 238.05,185.88 U213.11 ; v1(228.22,185.1) 228.22,165.22 227.38,164.38 CN204.24
  Bottom w0.15: v1(236.7,185.1) 228.23,185.1 v1(228.22,185.1)
/Floppy and Parallel/_DRDY: length 19
  Top w0.15: J202.1 234.68,155.85 234.68,153.3 235.38,152.59 236.52,152.59
  Bottom w0.15: CN204.34 226.7,150.83 234.76,150.83 236.52,152.59
/Floppy and Parallel/_INUSE0: length 45.2
  Top w0.15: U209.1 243.46,178.05 242.95,177.54 242.95,171.35 v1(242.4,170.8) ; U212.5 236.28,172.01 237.02,171.26 v1(237.02,170.8) ; CN204.6 228.41,187.24 228.84,186.81 v1(228.84,170.8)
  Bottom w0.15: v1(242.4,170.8) v1(237.02,170.8) v1(228.84,170.8)
